# KiCad board Video Timer.kicad_pcb (continued)
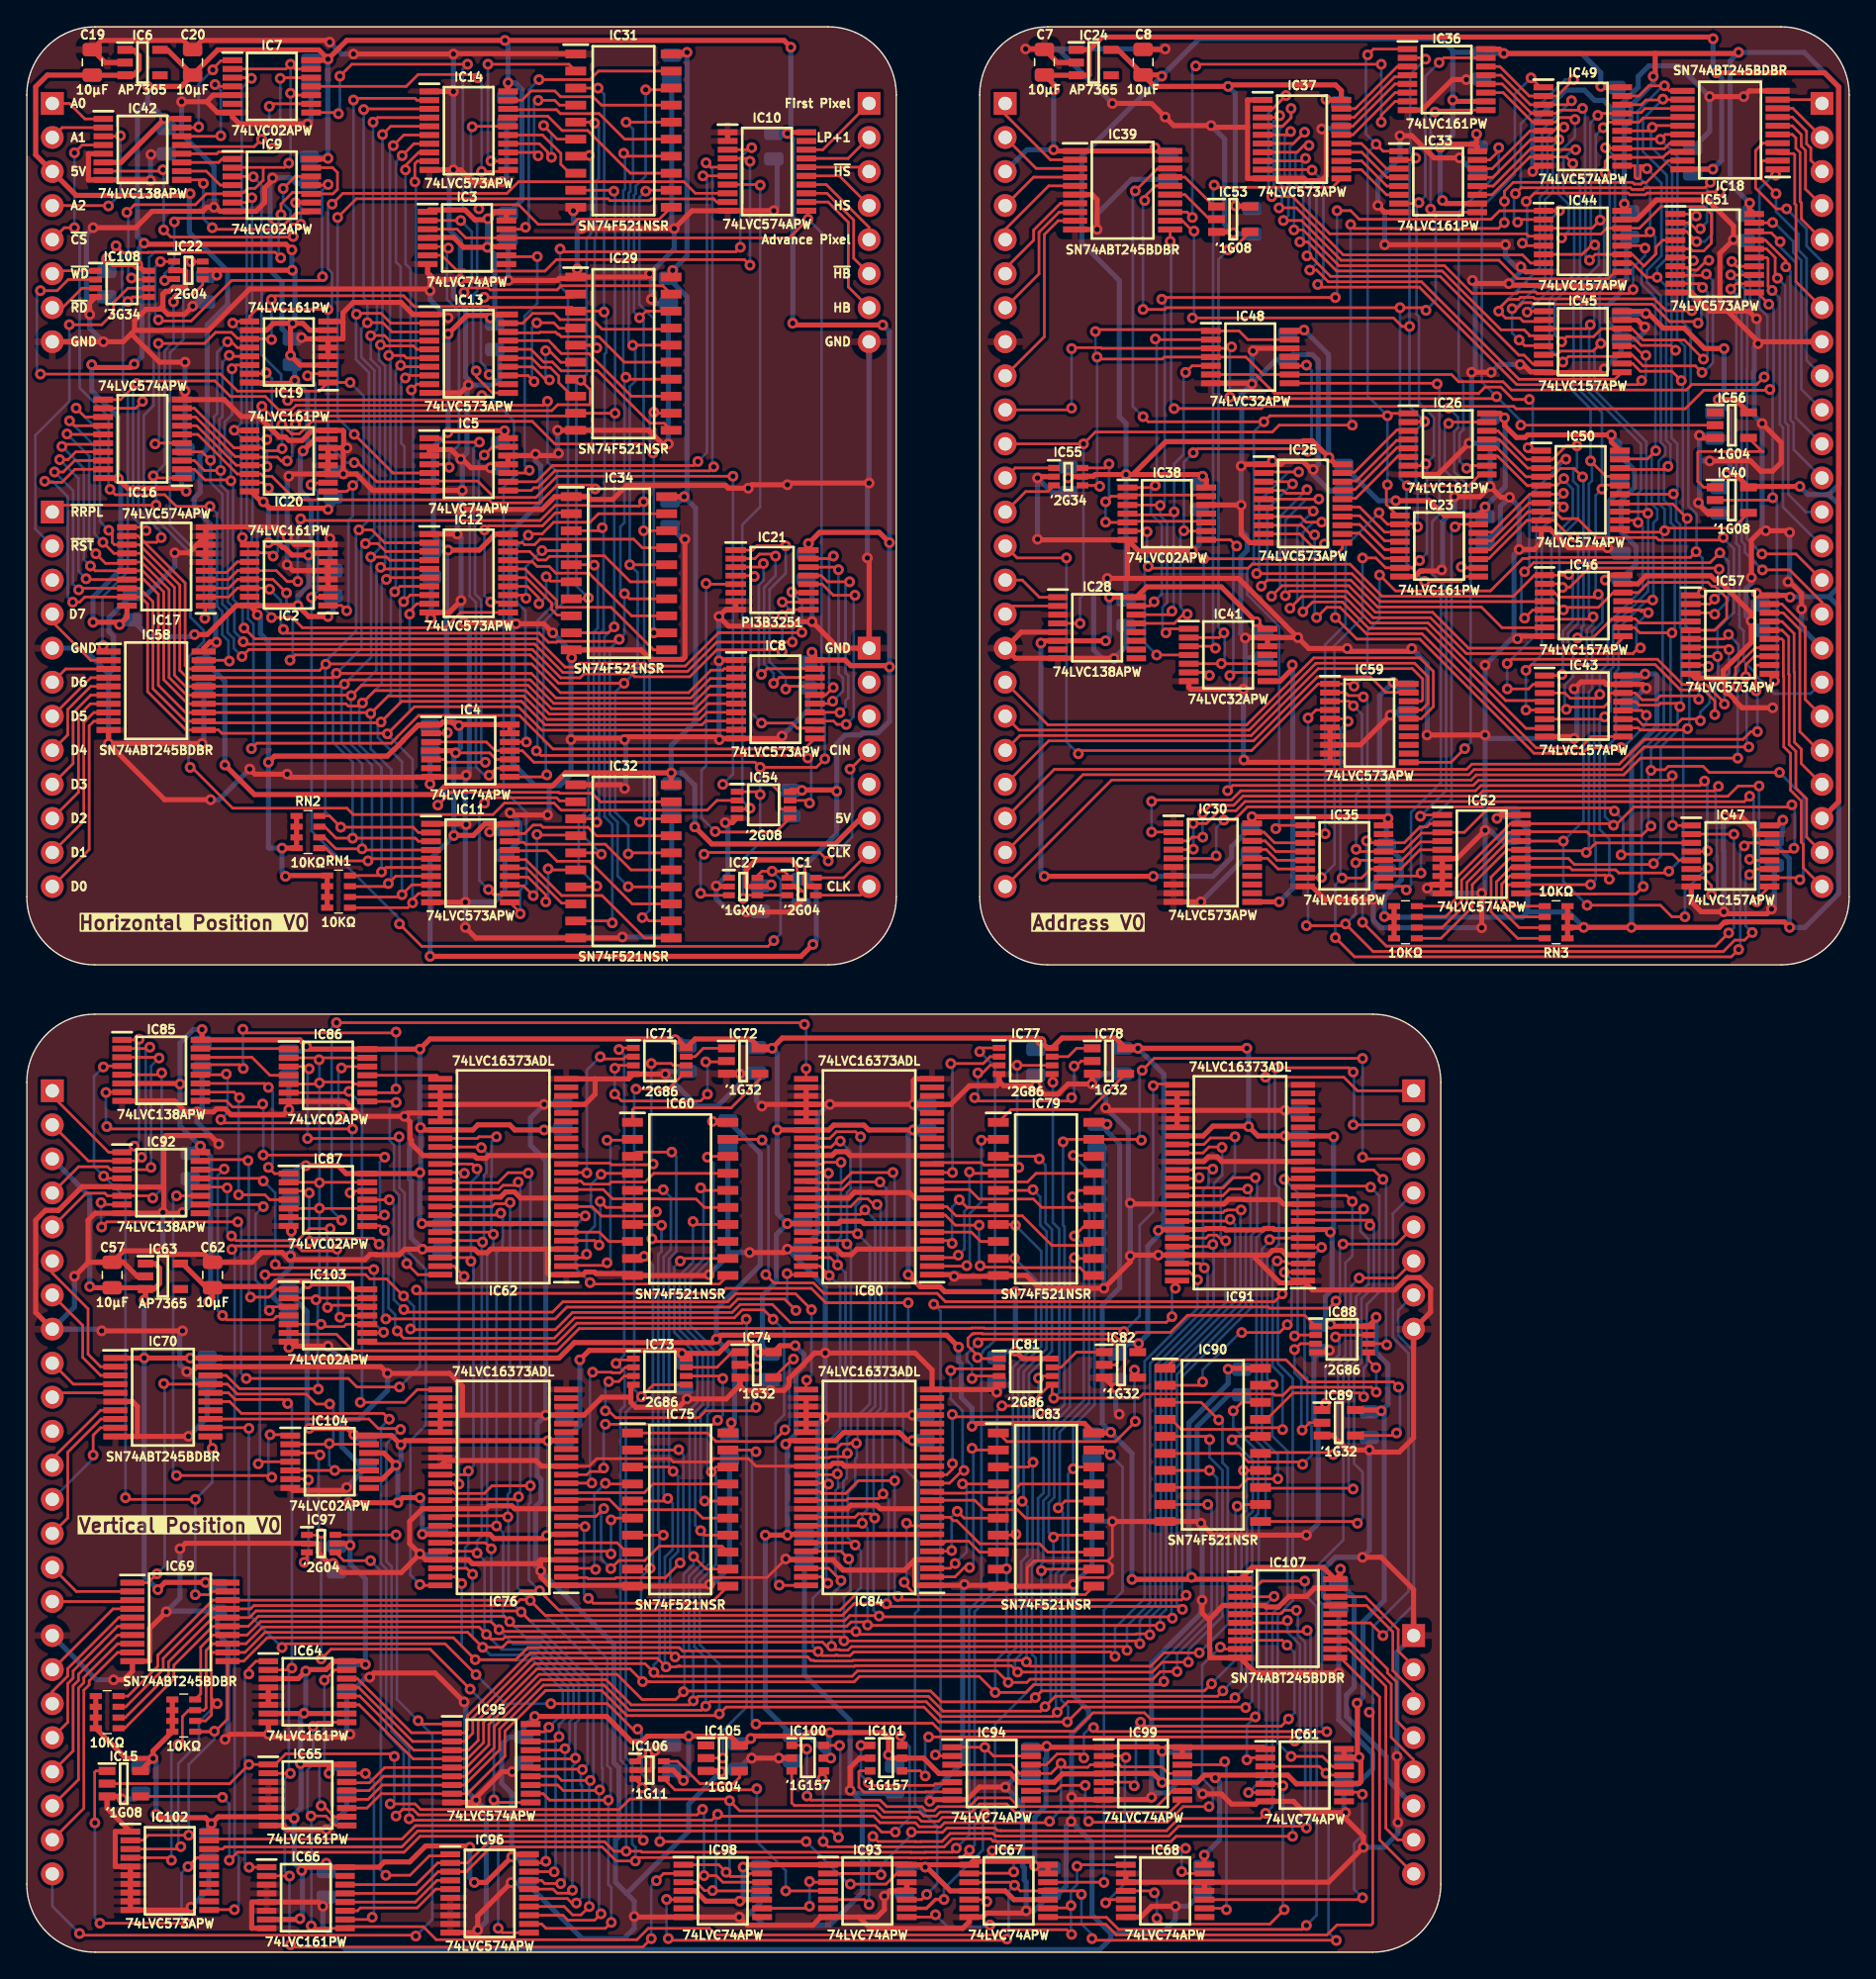
[diagram p0: board, top side]
## Routing (per net, layer and track width the routed paths; a pad name or vN(x,y) marks a point on that pad's centre or on a via; arc(x,y) is an arc through that point) (continued)
  Bottom w0.38: C58.2 48.95,105.41 v1(49.12,105.41) ; v1(34.6,110.74) 34.65,110.69 C52.2 ; v1(62.74,104.01) 62.74,109.47 v1(62.87,109.6) J2.8 ; v1(31.84,141.6) v1(31.84,138.81) v1(31.84,132.97) 31.53,132.66 31.53,128.5 32.36,127.67 v1(32.36,124.79) 31.85,124.28 31.85,123.5 32.31,123.04 32.38,123.04 32.75,122.67 32.75,117.52 32.96,117.31 v1(32.96,116.92) ; v1(31.45,121.93) 30.1,123.28 v1(30.1,123.95) ; v1(56.36,90.73) 58.29,92.66 C47.2 ; C63.2 4.49,123.49 4.45,123.44 ; v1(9.24,132.17) 9.24,134.08 v1(9.27,134.11) 9.32,134.16 C42.2 ; C29.2 21.21,136.65 v1(20.95,136.4) ; v1(44.62,90.46) 44.7,90.38 44.7,86.91 v1(44.62,86.82) ; v1(47.88,112.52) C60.2 46.94,122.99 v1(46.61,123.32) 46.61,125.09 v1(46.48,125.22) 48.32,127.06 v1(48.32,128.59) 48.13,128.78 C59.2 ; 4.45,123.44 4.45,128.14 v1(4.95,128.65) ; 4.45,123.44 4.45,122.39 4.66,122.17 v1(4.7,122.17) 4.7,121.16 v1(5.71,120.14) ; J5.5 4.19,97.28 6.1,95.38 ; 57.79,78.15 57.79,78.85 v1(57.81,78.87) ; v1(52.13,84.26) 52.32,84.07 52.32,80.41 v1(51.46,79.54) 51.46,78.59 52.45,77.6 v1(53.72,77.6) 54.53,77.6 ; C38.2 13.21,90.04 v1(13.08,90.17) ; v1(30.15,99.51) 30.2,99.56 C49.2 ; v1(32.96,116.92) 34.16,116.92 34.17,116.9 34.83,116.9 35.29,117.37 35.29,119.19 35.19,119.29 ; v1(32.96,116.92) 32.85,116.81 32.85,111.84 v1(32.38,111.38) 32.5,111.26 v1(32.5,109.05) 32.43,108.97 v1(32.43,107.65) 32.13,107.35 v1(32.13,105.79) 32.41,105.51 v1(32.41,100.84) 32.41,99.41 v1(32.64,99.19) 33.03,98.8 33.03,88.04 v1(32.79,87.8) 32.72,87.73 32.72,84.19 v1(32.79,84.12) 32.73,84.06 v1(32.73,78.33) ; v1(39.68,111.81) 39.62,111.87 v1(39.62,113.54) ; v1(51.69,90.46) 51.67,90.49 v1(51.67,96.34) 51.64,96.37 51.64,99.63 v1(51.66,99.65) ; 6.1,95.38 6.48,95.76 6.48,98.17 6.13,98.52 6.13,99.55 C35.2 8.97,101.3 11.05,103.38 v1(11.05,104.39) ; 6.1,95.38 v1(6.1,90.17) ; v1(13.72,85.98) 14.35,85.98 v1(16.64,88.26) ; v1(37.97,111.76) 37.97,111.25 38.35,110.87 38.35,108.2 36.07,105.92 36.07,99.54 v1(36.51,99.1) 36.27,98.86 36.27,88.69 37.93,87.04 38.99,87.04 ; v1(44.45,75.74) 47.93,75.74 48.13,75.95 C61.2 ; 38.99,87.04 38.99,84.96 v1(38.86,84.84) ; 38.99,87.04 39.8,87.04 40.61,87.86 v1(40.61,90.46) 40.61,96.52 v1(40.67,96.57) 40.67,97.02 v1(39.26,98.42) ; v1(23.63,110.28) 23.47,110.44 C4.2 ; v1(24.38,141.6) 23.49,141.6 v1(22.61,142.49) ; C6.2 19.05,121.11 19.05,124.59 18.16,125.48 18.16,132.18 v1(18.34,132.36) 18.35,132.36 19.69,132.36 20.1,131.95 21.03,131.95 ; v1(19.43,103.51) 19.43,105.58 v1(19.43,105.58) 19.43,105.58 19.43,109.98 v1(19.56,110.11) ; C1.2 58.61,101.98 v1(58.61,99.26) ; v1(32.73,78.33) v1(32.73,76.45) ; v1(32.73,78.33) 34.9,78.33 35.69,79.12 C41.2 36.8,82.95 36.8,84.27 v1(36.07,85) ; v1(35.43,132.08) 35.81,132.46 C31.2 ; C40.2 v1(30.1,87.15) ; C43.2 v1(35.94,124.71) ; v1(55.75,129.92) 56.01,130.17 56.01,133.53 ; v1(40.79,129.91) 40.79,129.2 v1(41.4,128.59) 41.08,128.27 v1(41.08,125.57) ; v1(11.81,118.62) v1(11.81,116.46) 11.81,112.09 ; 22.63,103.31 v1(22.63,105.45) ; v1(12.38,122.8) 12.7,123.11 C2.2 ; v1(13.97,130.18) 13.97,133.22 11.56,135.64 v1(11.56,138.05)
/Vertical Position/3.3V: length 827.4
  Top w0.38: v1(33.4,5.21) 34.29,5.21 v1(36.19,7.11) 36.39,7.31 IC96.20 ; IC106.5 48.23,13.59 v1(49.01,12.81) ; 22.48,6.34 20.76,6.34 v1(20.52,6.1) ; 22.48,6.34 22.35,6.47 v1(22.35,6.64) ; 22.48,6.34 IC66.16 26.28,6.34 26.67,6.73 28.57,6.73 29.77,7.92 32.97,7.92 v1(33.07,7.83) ; v1(99.44,14.54) 99.31,14.67 99.31,18.55 v1(99.29,18.58) ; IC98.4 49.91,4.57 50.67,3.81 v1(53.21,3.81) 53.32,3.92 IC98.10 ; IC80.31 59.86,61.34 60.22,61.7 62.48,61.7 62.84,61.34 v1(66.17,61.34) IC80.18 ; IC91.31 87.8,60.9 88.53,61.62 91.16,61.62 v1(91.19,61.59) 91.88,60.9 IC91.18 97.47,60.9 v1(97.54,60.83) ; IC62.18 v1(38.61,61.34) 36.42,61.34 36.04,61.72 33.67,61.72 33.29,61.34 IC62.31 29.57,61.34 v1(29.39,61.52) ; v1(13.78,9.59) 13.34,10.03 9.91,10.03 v1(9.65,10.29) ; v1(13.78,9.59) 14.29,10.1 IC65.7 19.85,10.1 v1(19.95,10) ; v1(13.78,9.59) 13.61,9.41 IC102.20 ; v1(91.06,67.44) 91.06,67.43 v1(82.93,67.43) IC78.5 81.26,68.2 77.26,68.2 IC77.8 76.18,67.46 v1(75.69,67.94) 75.44,68.2 56.39,68.2 v1(55.63,67.44) 54.72,67.44 ; v1(24,33.53) v1(27.69,33.53) 28.07,33.91 v1(29.34,33.91) ; v1(48.89,44.68) 51.61,44.68 52.39,45.45 54.25,45.45 54.65,45.05 v1(54.65,44.76) IC74.5 56.21,45.25 v1(57.35,45.25) ; v1(48.89,44.68) 49.22,44.35 IC73.8 ; v1(48.89,44.68) 48.67,44.9 41.98,44.9 v1(41.27,44.2) ; IC61.1 92.31,15.28 86.25,15.28 86.25,14.63 ; v1(11.43,64.77) 11.47,64.81 7.11,64.81 ; IC82.5 82.91,45.34 v1(82.97,45.4) ; 80.37,15.28 76.19,15.28 v1(76.12,15.36) 76.04,15.28 74.95,15.28 ; v1(29.52,31.19) 30.85,31.19 ; v1(73.79,49.28) 68.51,49.28 68.15,49.64 66.69,49.64 v1(65.79,50.55) ; IC105.5 52.5,16.12 v1(49.4,16.12) 46.32,16.12 45.92,15.72 45.14,15.72 43.27,17.59 v1(37.91,17.59) 37.91,17.32 IC95.20 ; v1(25.27,21.46) 25.02,21.72 23.89,21.72 ; IC76.18 38.9,38.16 v1(38.89,38.15) 38.88,38.16 IC76.31 28.24,38.16 v1(27.92,37.85) 27.23,38.54 IC104.14 24.48,38.54 v1(24.41,38.61) 23.94,39.08 v1(21.08,39.08) ; IC67.13 IC67.14 75.32,6.52 v1(75.23,6.43) 74.88,6.78 70.6,6.78 70.37,6.55 ; v1(29.34,58.17) 29.26,58.08 IC87.14 23.83,58.08 23.24,58.67 v1(20.83,58.67) ; IC104.9 26.53,35.29 v1(27.56,36.32) 26.64,37.24 IC104.12 ; v1(13.08,68.83) 13.08,68.18 IC85.16 20.38,68.06 v1(20.88,67.56) ; v1(22.56,13.34) 22.56,14 23.88,14 20.49,14 v1(20.42,14.07) ; IC64.3 20.25,20.41 v1(20.82,20.97) 20.93,21.08 22.33,21.08 22.95,21.71 23.88,21.71 ; IC66.7 20.32,2.44 v1(20.38,2.5) ; v1(100.71,47.37) 100.71,47.26 IC88.8 97.45,46.69 v1(97.3,46.85) ; 5.15,19.11 5.15,16.71 7.4,14.45 v1(9.42,14.45) ; IC68.14 87.9,7.22 v1(87.88,7.24) ; 86.22,15.31 85.07,15.31 v1(84.74,14.99) 84.41,15.31 80.4,15.31 ; IC61.10 94.76,12.56 94.11,13.21 IC61.4 88.9,13.21 v1(88.7,13) 88.49,13.21 87.89,13.21 87.37,12.68 84.76,12.68 v1(84.74,12.67) 84.07,13.33 IC99.4 ; IC72.5 54.03,68.12 49.88,68.12 49.22,67.46 48.6,68.07 48.39,68.07 v1(48.39,68.07) 48.33,68.13 30.1,68.13 v1(29.34,67.37) IC86.14 21.07,67.37 20.83,67.61 ; v1(13.55,48.51) 13.87,48.83 C62.1 ; v1(12.95,60.14) 12.96,60.13 12.96,59.68 ; v1(56.77,54.36) IC80.42 60.55,54.36 60.73,54.53 62.32,54.53 62.49,54.36 IC80.7 ; IC84.42 56.83,31.18 v1(56.77,31.11) 55.12,31.11 v1(55.12,31.12) ; 11.62,51.37 13.42,49.57 ; IC84.18 v1(66.1,38.16) 65.72,38.16 65.12,38.76 60.96,38.76 60.36,38.16 IC84.31 56.9,38.16 v1(56.64,37.9) ; v1(67.06,6.35) 67.16,6.35 68.94,4.57 IC67.4 73.03,4.57 73.68,3.92 IC67.10 ; IC61.14 IC61.13 99.41,14.51 99.57,14.35 99.57,12.72 99.44,12.59 98.35,12.59 ; IC81.8 74.34,44.28 v1(73.79,44.83) ; IC62.7 36.3,54.36 36.29,54.35 35.04,54.35 35.04,54.36 IC62.42 v1(29.49,54.36) ; IC64.7 20.67,17.81 v1(20.69,17.83) 20.72,17.81 23.88,17.81 ; 53.52,15.43 v1(54.03,15.94) 54.22,16.13 57.94,16.13 58.19,16.38 v1(59.94,16.38) 63.97,16.38 64.31,16.04 v1(64.31,14.72) 64.56,14.48 IC101.5 66.93,14.48 68.08,13.33 IC94.4 73.41,13.33 74.06,12.68 76.68,12.68 77.29,13.3 80.34,13.3 ; IC76.42 34.55,31.18 34.87,30.86 38.57,30.86 v1(38.79,31.08) 38.89,31.18 IC76.7 ; IC67.1 IC93.14 65.63,6.57 59.85,6.57 59.8,6.52 IC98.14 53.64,6.52 v1(53.47,6.35) ; v1(84.46,53.85) 84.52,53.91 IC91.42 87.95,53.91 88.03,53.99 89.38,53.99 89.48,53.88 92.26,53.88 92.37,53.99 93.02,53.99 93.1,53.91 IC91.7 97.09,53.91 v1(97.28,53.72) ; v1(56.01,61.34) 58.16,61.34 ; IC97.5 24,30.48 v1(24.13,30.35) ; 13.95,49.66 18.18,49.66 18.59,50.06 20.74,50.06 v1(20.95,49.85) 23.89,49.85 24.3,49.45 IC103.14 ; v1(9.42,14.45) 9.42,15.01 RN6.8 RN6.7 RN6.6 RN6.5 ; v1(9.42,14.45) IC15.5 ; IC100.5 v1(60.01,14.48) ; v1(101.09,40.39) 101.03,40.45 IC89.5 ; 67.55,31.17 58.18,31.17
  Bottom w0.38: C94.1 94.03,60.79 v1(93.92,60.9) ; v1(48.39,68.07) 48.81,68.07 C80.1 ; C104.1 64.77,14.26 v1(64.31,14.72) ; C112.1 36.28,7.03 v1(36.19,7.11) 36.19,11.84 35.43,12.6 35.43,15.49 35.99,16.05 C111.1 37.08,16.76 v1(37.91,17.59) ; C68.1 20.4,58.67 v1(20.83,58.67) ; v1(29.34,67.37) 29.34,61.57 v1(29.39,61.52) 29.41,61.5 29.41,58.24 v1(29.34,58.17) 29.34,54.51 v1(29.49,54.36) 29.58,54.27 C78.1 ; C113.1 22.93,13.72 v1(22.56,13.34) ; C97.1 101.01,40.3 v1(101.09,40.39) ; C115.1 v1(22.35,6.64) ; 75.31,67.56 v1(75.69,67.94) ; v1(57.35,45.25) 58.01,44.58 58.01,43.78 57.41,43.18 57.41,38.67 v1(56.64,37.9) 56.77,37.77 v1(56.77,31.11) 56.81,31.16 C92.1 ; v1(99.29,18.58) 99.73,19.02 99.73,24.65 101.32,26.24 101.32,40.16 v1(101.09,40.39) ; C75.1 49.02,44.55 v1(48.89,44.68) ; C98.1 12.72,60.14 v1(12.95,60.14) ; v1(55.12,31.12) 55.12,18.21 C103.1 58.31,16.17 v1(60.01,14.48) 59.87,14.62 59.87,16.31 v1(59.94,16.38) ; v1(56.77,54.36) 55.94,53.53 55.94,50.03 54.91,48.99 54.91,45.21 55.19,44.93 ; v1(56.77,54.36) 56.01,55.12 v1(56.01,61.34) 56.01,67.06 v1(55.63,67.44) 55.58,67.48 C81.1 ; v1(56.77,54.36) 56.81,54.4 57.91,54.4 ; C100.1 75.92,15.16 v1(76.12,15.36) 76.12,14.51 76.02,14.41 76.02,13.76 76.06,13.71 76.06,10.91 75.23,10.08 v1(75.23,6.43) 75.39,6.27 C65.1 ; v1(33.07,7.83) 33.07,5.54 v1(33.4,5.21) ; v1(41.27,44.2) 41.27,39.32 C73.1 38.92,38.18 v1(38.89,38.15) 38.96,38.08 38.96,31.25 v1(38.79,31.08) ; v1(24.41,38.61) 24.75,38.27 C67.1 ; v1(66.1,38.16) 66.12,38.18 C89.1 ; v1(100.71,47.37) 100.71,44.72 101.59,43.84 101.59,40.89 v1(101.09,40.39) ; 30.73,31.54 29.88,31.54 v1(29.52,31.19) 29.52,33.72 v1(29.34,33.91) ; v1(12.95,60.14) 13.72,59.38 13.72,48.68 v1(13.55,48.51) ; v1(12.95,60.14) 11.43,61.66 v1(11.43,64.77) 11.43,67.82 12.45,68.83 v1(13.08,68.83) C106.1 ; v1(38.61,61.34) 38.69,61.42 C79.1 ; v1(24,33.53) 24.13,33.4 v1(24.13,30.35) ; C114.1 25.27,21.46 v1(25.27,21.46) 25.27,27.84 24.13,28.99 v1(24.13,30.35) ; C86.1 82.93,67.44 v1(82.93,67.43) 84.86,65.5 84.86,54.28 84.43,53.85 ; v1(20.95,49.85) 20.42,49.32 C71.1 ; v1(88.7,13) 89.03,12.67 89.03,8.38 v1(87.88,7.24) 87.88,6.52 ; 23.2,30.35 v1(24.13,30.35) ; 55.36,44.76 v1(54.65,44.76) ; C64.1 84.82,14.9 v1(84.74,14.99) v1(84.74,12.67) ; v1(20.82,20.97) 20.82,17.96 v1(20.69,17.83) 20.42,17.56 20.42,14.08 v1(20.42,14.07) 20.46,14.03 20.46,10.79 19.95,10.28 v1(19.95,10) 19.95,6.66 v1(20.52,6.1) 20.57,6.04 20.57,2.69 v1(20.38,2.5) ; v1(21.08,39.08) 20.92,39.24 20.92,47.79 19.56,49.15 ; v1(27.69,33.53) 27.69,36.19 v1(27.56,36.32) 27.92,36.69 v1(27.92,37.85) ; v1(97.54,60.83) 97.54,53.97 v1(97.28,53.72) 97.42,53.58 97.42,49.4 96.92,48.9 96.92,47.23 v1(97.3,46.85) 97.24,46.78 C96.1 ; 84.43,53.85 84.43,53.44 83.66,52.68 83.66,46.1 v1(82.97,45.4) 82.19,45.4 C91.1 ; 84.43,53.85 v1(84.46,53.85) 84.5,53.89 C95.1 ; v1(20.88,67.56) 20.54,67.23 C99.1 ; v1(49.4,16.12) 49.4,13.21 v1(49.01,12.81) 48.86,12.81 C108.1 ; v1(53.21,3.81) 53.47,4.06 v1(53.47,6.35) 54.69,6.35 ; C90.1 72.85,44.83 v1(73.79,44.83) v1(73.79,49.28) ; v1(54.03,15.94) 53.63,15.54 C109.1 ; v1(91.06,67.44) 91.19,67.31 v1(91.19,61.59) ; v1(13.78,9.59) 13.59,9.4 C102.1 ; 65.61,6.35 v1(67.06,6.35) ; v1(99.44,14.54) 99.29,14.4 C87.1 ; 67.14,61.34 v1(66.17,61.34) 65.79,60.96 v1(65.79,50.55) ; v1(9.65,10.29) 9.65,14.22 v1(9.42,14.45)
/Vertical Position/5V: length 255.8
  Top w0.38: IC60.20 51.24,61.91 v1(51.18,61.98) ; 14.96,27.59 v1(13.33,27.59) 10.31,27.59 v1(9.78,27.05) ; IC79.20 80.48,61.91 v1(80.63,61.77) ; 13.71,44.32 39.72,44.32 40.87,45.48 51.21,45.48 v1(51.46,45.73) 51.75,46.02 51.97,46.02 51.98,46.03 56.71,46.03 56.94,46.04 68.65,46.04 v1(69.55,45.14) ; IC70.1 v1(8.76,44.33) v1(12.2,44.33) IC70.20 ; IC63.1 9.56,51.37 9.91,51.03 9.91,49.87 9.5,49.47 IC63.3 8.86,48.74 v1(8.76,48.64) ; v1(98.04,28.57) 98.04,28.2 97.66,27.82 96.77,28.7 91.44,28.7 90.56,27.82 87.08,27.82 v1(86.93,27.97) 86.78,27.81 v1(82.49,27.81) ; 8.76,49.57 C57.1 4.79,49.57 v1(4.7,49.66) ; v1(70.55,39.24) 70.76,39.45 78.92,39.45 79.63,38.73 80.84,38.73 v1(80.9,38.79) ; 52.33,38.73 52.58,38.98 v1(52.58,39.5) ; v1(89.66,43.5) 89.73,43.56 IC90.20
  Bottom w0.38: 13.42,44.33 v1(12.2,44.33) ; v1(9.78,27.05) 8.76,28.07 v1(8.76,44.33) v1(8.76,48.64) ; 52.28,61.98 v1(51.18,61.98) ; v1(80.9,38.79) 82.49,37.2 v1(82.49,27.81) ; v1(80.9,38.79) 79.64,38.79 ; v1(80.9,38.79) 80.26,39.42 80.26,48.26 81.57,49.56 81.57,60.29 80.63,61.23 v1(80.63,61.77) 80.48,61.91 80.03,61.91 ; C76.1 52.45,39.37 v1(52.58,39.5) 52.83,39.75 52.83,44.37 v1(51.46,45.73) 51.46,47.97 54.74,51.25 54.74,59.61 C77.1 ; 98.04,27.73 v1(98.04,28.57) ; J7.6 101.47,12.95 101.47,14.6 98.5,17.58 98.5,19.19 99.07,19.77 99.07,26.45 C105.1 ; J11.3 4.7,56.39 v1(4.7,49.66) ; v1(86.93,27.97) 86.74,28.16 86.74,39.5 89.66,42.42 v1(89.66,43.5) 90.66,43.5 ; v1(13.33,27.59) 13.57,27.35 C69.1 ; v1(70.55,39.24) 70.55,40.58 69.75,41.38 69.75,43.89 69.55,44.09 v1(69.55,45.14)
/Vertical Position/GND: length 1467.8
  Top w0.2: IC76.15 41.97,36.26 42.53,36.82 48.02,36.82 48.26,36.58 51.01,36.58 51.26,36.82 53.86,36.82 54.42,36.26 IC84.34 ; v1(50.96,27.43) 50.96,27.63 51.27,27.95 55.26,27.95 v1(56.64,29.34) ; 74.68,27.3 74.68,28.7 75.17,29.2 80.69,29.2 ; 80.69,29.2 81.03,28.86 81.03,28.27 80.71,27.95 78.62,27.95 v1(78.11,27.43) ; 80.69,29.2 81.03,29.54 v1(81.03,32.13)
  Top w0.38: v1(6.48,20.32) 7.24,20.32 7.88,20.96 7.88,21.71 9.16,21.71 9.17,21.72 9.17,24.16 v1(10.41,25.4) ; 42.42,65.15 44.91,65.15 IC71.4 v1(47.65,65.51) ; 42.42,65.15 42.42,64.01 41.66,63.25 IC62.21 v1(38.61,63.25) IC62.28 ; 42.42,65.15 IC62.24 ; v1(82.36,55.88) 82.42,55.82 IC91.39 89.34,55.82 89.7,56.17 90.82,56.17 90.84,56.14 93.46,56.14 93.79,55.82 IC91.10 ; IC73.4 45.09,42.15 45.09,41.4 ; IC76.28 IC76.27 30.86,41.34 ; IC76.28 IC76.29 IC76.30 ; IC76.28 v1(38.73,40.07) IC76.21 41.59,40.07 42.93,41.4 45.09,41.4 ; 45.09,41.4 45.09,41.02 45.45,40.65 48.66,40.65 v1(49.28,41.27) 52.2,41.27 53.23,42.31 53.23,42.86 53.23,42.27 53.59,41.91 v1(55.5,41.91) 56.52,41.91 56.87,42.27 56.87,42.78 58.8,44.7 v1(59.6,44.7) 66.29,44.7 67.56,43.43 IC84.24 72.2,41.97 v1(72.39,41.78) 72.39,42.15 IC81.4 ; 66.28,29.27 66.28,29.26 66.28,27.4 66.3,27.37 IC84.1 69.91,27.37 v1(69.98,27.43) 70.04,27.37 72.45,27.37 ; 66.28,29.27 65.52,28.51 60.93,28.51 60.16,29.27 IC84.45 56.71,29.27 v1(56.64,29.34) ; 66.28,29.27 IC84.4 ; v1(29.34,29.72) 29.78,29.27 IC76.45 32.96,29.27 33.25,28.98 38.06,28.98 38.35,29.27 ; v1(29.34,29.72) 27.94,28.32 23.54,28.32 v1(22.86,29.01) 22.56,29.01 21.74,29.83 21.74,30.47 21.73,30.48 IC97.2 ; v1(29.34,29.72) 28.57,30.48 28.57,32.13 29.53,33.08 34.27,33.08 34.48,33.3 36.19,33.3 36.41,33.08 40.26,33.08 ; 91.93,11.26 91.72,11.05 89.92,11.05 89.15,11.81 v1(87.76,11.81) ; v1(81.28,42.1) 81.17,42.1 80.41,42.86 ; v1(61.45,12.08) 61.45,13.77 62.15,14.48 IC101.2 ; 8.25,38.48 IC70.10 ; 8.25,38.48 12.06,38.48 v1(12.06,38.48) ; 8.25,38.48 8.25,40.71 7.89,41.08 IC70.6 ; J11.8 0.66,47.72 0.66,54.62 1.39,55.34 2.36,55.34 4.13,57.11 7.08,57.11 ; IC62.26 IC62.27 IC62.28 ; 10.23,57.08 10.23,60.78 10.38,60.93 13.7,60.93 v1(14.33,60.29) ; 10.23,57.08 10.23,55.17 10.29,55.12 ; 10.23,57.08 7.11,57.08 ; v1(46.88,15.03) 46.72,14.87 46.72,13.74 46.56,13.59 IC106.2 ; 38.86,52.45 34.61,52.45 34.34,52.18 33.69,52.18 33.42,52.45 IC62.45 ; 38.86,52.45 38.86,50.66 38.98,50.55 IC62.1 41.51,50.55 41.71,50.74 42.37,50.74 42.48,50.63 45.06,50.63 45.21,50.48 50.86,50.48 v1(50.93,50.55) ; 38.86,52.45 IC62.4 ; v1(83.95,11.56) 83.78,11.38 IC99.7 78.15,11.38 v1(77.98,11.56) ; 30.86,52.45 v1(29.53,52.45) 28.22,52.45 27.8,52.03 26.09,52.03 26.07,52.05 25.62,52.05 25.22,51.66 19.59,51.66 19.05,52.2 17.53,52.2 16.8,51.47 13.87,51.47 13.28,52.06 10.29,52.06 v1(10.16,52.32) 7.23,52.32 6.37,51.47 ; IC100.2 v1(56.13,14.48) v1(54.1,14.48) ; 19.56,63.45 v1(19.56,62.86) 19.18,62.48 15.23,62.48 14.81,62.91 14.15,62.91 13.93,62.69 v1(12.7,62.69) 11.86,62.69 11.04,63.51 7.11,63.51 ; v1(99.69,29.46) 101.09,29.46 103.5,27.05 J7.1 ; v1(18.03,16.26) 18.24,16.05 23.92,16.05 v1(24.13,16.26) ; v1(18.03,16.26) 18.03,17.15 ; v1(18.03,16.26) 15.18,16.26 v1(14.79,15.87) ; 45.14,27.37 IC76.1 38.98,27.37 38.35,27.99 38.35,29.27 ; v1(66.17,63.25) v1(59.94,63.25) IC80.28 ; v1(66.17,63.25) IC80.21 68.96,63.25 70.36,64.64 72.39,64.64 72.57,64.83 IC77.4 72.57,64.97 72.9,64.64 v1(75.31,64.64) 75.95,64.01 76.96,64.01 77.72,64.77 v1(79.5,64.77) 79.52,64.79 IC78.3 ; v1(66.17,63.25) 66.17,65.03 66.28,65.15 IC80.24 ; IC84.28 IC84.29 IC84.30 ; IC84.28 59.37,40.07 v1(59.53,39.91) 59.69,40.07 v1(66.1,40.07) IC84.21 ; IC84.28 IC84.27 58.16,41.34 ; v1(45.34,2.67) 45.38,2.62 IC98.7 v1(53.17,2.62) 53.78,2.01 58.65,2.01 59.26,2.62 ; IC68.2 IC68.3 IC68.12 ; IC68.7 83.14,2.62 83.82,3.3 ; IC80.10 66.28,56.26 65.87,56.67 63,56.67 62.98,56.69 61.77,56.69 61.34,56.26 IC80.39 ; 62.11,2.62 63.46,2.62 64.01,3.17 v1(64.01,4.19) 64.39,4.57 IC93.11 IC93.12 ; 62.11,2.62 59.8,2.62 ; 62.11,2.62 62.95,1.78 69.85,1.78 70.34,2.27 IC67.7 71.33,2.62 71.63,2.92 74.42,2.92 v1(74.59,3.09) ; 83.82,3.3 83.95,3.43 v1(85.72,3.43) ; IC62.39 34.66,56.26 34.73,56.33 35.35,56.33 35.74,56.72 36.4,56.72 36.86,56.26 IC62.10 ; IC91.28 80.71,62.8 v1(80.52,62.99) ; IC91.28 IC91.27 IC91.26 ; IC91.28 IC91.21 ; IC91.28 IC91.29 IC91.30 ; v1(53.21,65.53) 52.22,65.53 ; v1(51.82,13.46) 51.75,13.53 IC105.3 ; 32.51,40.07 32.51,42.23 31.56,43.18 v1(26.92,43.18) 26.43,43.68 IC70.19 12.67,43.68 12.3,43.31 v1(11.94,43.31) ; 91.69,52.01 91.69,51.77 93.53,49.94 95.08,49.94 IC91.1 95.95,49.4 102.11,49.4 103.03,50.32 103.96,50.32 104.78,49.51 104.78,47.75 J12.8 103.5,38.38 102.44,37.31 100.36,37.31 v1(100.2,37.46) 98.55,37.46 97.47,38.55 IC89.3 ; 91.69,52.01 IC91.45 v1(84.46,52.01) 82.42,52.01 v1(82.36,51.94) 82.36,51.5 v1(80.39,49.53) 75.56,49.53 74.61,50.48 IC79.10 ; 91.69,52.01 92.64,52.01 92.99,52.36 93.65,52.36 93.98,52.02 95.23,52.02 ; 6.37,51.47 7.2,51.47 8.25,50.42 IC63.2 ; 6.37,51.47 4.61,51.47 ; IC76.34 31.28,36.68 37.99,36.68 38.42,36.26 IC76.15 ; IC80.28 54.99,63.25 v1(54.86,63.12) ; IC80.28 IC80.29 IC80.30 ; IC80.28 IC80.27 IC80.26 ; IC84.34 59.95,36.26 60.17,36.47 60.82,36.47 61.04,36.26 IC84.15 ; 31.61,1.46 33.46,1.46 v1(33.66,1.65) 33.66,2.71 v1(36.15,5.2) ; v1(97.92,20.83) 91.7,20.83 IC107.10 88.34,21.97 88.3,22.01 88.3,22.66 88.28,22.68 88.28,24.87 ; v1(22.1,3.43) 21.79,3.74 IC66.5 16.82,3.74 16.79,3.71 16.79,1.8 16.8,1.79 IC66.8 ; 4.61,51.47 4.57,51.5 4.57,54.61 5.09,55.13 10.11,55.13 v1(10.16,55.18) 10.22,55.12 10.29,55.12 ; 4.61,51.47 v1(3.56,50.42) ; v1(97.22,44.9) 97.06,44.74 IC88.4 ; v1(95.5,31.11) 88.52,31.11 v1(87.63,32) 87.5,32.13 IC90.10 v1(81.03,32.13) ; v1(23.88,34.67) 23.66,34.45 19.86,34.45 IC104.7 ; IC68.12 97.16,5.22 v1(99.76,7.82) 99.76,8.64 98.43,9.98 v1(98.43,10.41) 95.38,10.41 94.53,11.26 IC61.7 ; IC68.12 IC68.11 ; IC62.28 IC62.29 ; IC62.30 IC62.29 ; IC62.29 28.45,62.61 v1(28.19,62.36) ; 38.35,29.27 IC76.4 ; v1(28.19,62.36) 28.6,61.95 28.6,60.68 28.7,60.58 28.7,60.31 29.58,59.44 IC62.34 33.38,59.44 33.58,59.23 34.27,59.23 34.47,59.44 IC62.15 ; v1(28.19,62.36) 24.89,62.36 23.78,63.47 IC86.7 ; 72.45,50.42 v1(69.22,50.42) 69.09,50.55 IC80.1 ; IC107.19 96.13,27.17 95.5,26.54 94.21,26.54 93.42,25.75 92.51,25.75 92.4,25.87 IC107.4 89.28,25.87 88.28,24.87 ; v1(11.43,30.1) 11.84,30.51 20.88,30.51 ; 45.21,27.3 50.83,27.3 v1(50.96,27.43) ; IC87.7 19.54,53.99 v1(19.74,53.79) ; v1(87.72,26.25) 87.72,25.31 88.16,24.87 88.28,24.87 ; IC91.34 87.85,58.99 88.19,59.34 88.85,59.34 89.19,58.99 IC91.15 ; IC80.34 60.1,59.44 60.38,59.72 61.16,59.72 61.44,59.44 IC80.15 ; IC80.4 61.96,52.45 61.54,52.04 60.86,52.04 60.45,52.45 IC80.45 v1(56.77,52.45) 56.51,52.2 v1(53.95,52.2) ; IC103.7 19.54,45.13 v1(19.56,45.11) 19.66,45.21 v1(22.48,45.21) ; 10.29,55.12 11.57,55.12 v1(11.63,55.18) ; IC95.10 33.35,11.17 v1(33.53,11.35) 33.53,11.53 35.46,13.46 v1(36.23,13.46) ; v1(102.26,14.6) 102.26,14.6 102.26,9.76 v1(102.34,9.68) ; v1(7.11,11.43) 6.92,11.62 IC15.3 5.99,10.74 IC102.1 6.61,8.99 6.6,8.98 6.6,6.4 6.61,6.39 IC102.5 IC102.6 IC102.7 IC102.8 IC102.9 IC102.10 12.04,3.14 v1(12.26,3.37) ; v1(25.59,20.51) 25.9,20.83 30.48,20.83 v1(32.64,18.67) ; IC64.6 IC64.5 IC64.4 ; 18.03,9.45 19.13,9.45 19.44,9.14 v1(22.35,9.14) ; 67.56,33.08 63.7,33.08 63.44,33.35 61.5,33.35 61.23,33.08 58.16,33.08 ; v1(5.59,46.35) v1(11.62,46.35) ; v1(78.11,27.43) 77.98,27.3 72.51,27.3 ; v1(73.03,12.32) 71.1,12.32 70.16,11.38 IC94.7 67.52,11.38 v1(67.4,11.26)
  Bottom w0.25: v1(64.01,4.19) 64.19,4.37 C107.2
  Bottom w0.38: 97.61,25.7 96.77,26.54 96.77,28.57 97.66,29.46 v1(99.69,29.46) 100.2,29.97 v1(100.2,37.46) C97.2 ; v1(54.1,14.48) 53.93,14.48 C109.2 51.99,13.64 v1(51.82,13.46) 49.4,11.05 49.4,9.02 44.77,4.38 ; v1(81.53,40.13) 81.28,40.39 v1(81.28,42.1) 81.28,42.59 ; C68.2 19.69,53.85 v1(19.74,53.79) 19.74,52 v1(19.69,51.94) 19.74,51.88 19.74,51.14 18.44,49.84 18.44,48.81 19.56,47.69 ; v1(84.46,52.01) 84.47,51.99 C95.2 ; v1(14.79,15.87) 15,16.08 15,22.97 14.22,23.75 C69.2 10.46,25.45 v1(10.41,25.4) 11.43,26.42 v1(11.43,30.1) ; C72.2 29.41,29.64 v1(29.34,29.72) ; C106.2 13.08,63.07 v1(12.7,62.69) 12.7,61.92 v1(14.33,60.29) ; 44.77,4.38 43.94,5.21 43.94,8.38 44.2,8.64 44.2,13.75 43.81,14.14 43.81,22.99 v1(38.35,28.45) 37.97,28.83 37.97,33.24 38.38,33.65 38.38,35.26 38.1,35.54 38.1,39.43 v1(38.73,40.07) ; 44.77,4.38 45.34,3.81 v1(45.34,2.67) 45.34,1.78 44.58,1.02 41.45,1.02 C112.2 36.22,5.13 v1(36.15,5.2) ; 52.32,52.2 v1(53.95,52.2) ; 52.32,52.2 52.32,51.94 v1(50.93,50.55) ; 52.32,52.2 C77.2 ; v1(46.88,15.03) 47.29,15.44 C108.2 ; C103.2 56.34,14.27 v1(56.13,14.48) ; v1(12.26,3.37) 13.59,4.7 C102.2 ; v1(25.59,20.51) 25.34,20.51 24.38,19.56 ; v1(22.48,45.21) 23.49,44.2 23.49,39.75 ; 54.04,2.98 54.99,2.03 59.94,2.03 62.36,4.44 62.36,11.17 v1(61.45,12.08) ; 54.04,2.98 54.74,3.68 C101.2 ; 54.04,2.98 53.68,2.62 v1(53.17,2.62) ; v1(77.94,9.76) 79.5,8.2 79.5,2.79 80.9,1.4 ; v1(77.94,9.76) 77.98,9.79 v1(77.98,11.56) 77.98,16.26 79.25,17.53 79.25,18.03 78.11,19.18 v1(78.11,27.43) 79.5,28.83 79.5,32.13 ; v1(77.94,9.76) 77.57,9.38 77.57,4.92 77.01,4.37 C65.2 75.17,3.09 v1(74.59,3.09) 74.59,5.24 74.45,5.38 74.45,6.3 74.32,6.42 74.32,11.02 v1(73.03,12.32) 73.96,13.26 C100.2 ; v1(54.86,63.12) 54.48,63.5 C81.2 53.26,65.58 v1(53.21,65.53) 53.21,64.77 51.56,63.12 50.04,63.12 v1(47.65,65.51) 47.85,65.71 C80.2 ; 25.4,36.19 v1(23.88,34.67) ; v1(7.11,11.43) 8.08,11.43 C116.2 ; 80.9,1.4 84.71,1.4 85.72,2.41 v1(85.72,3.43) 86.69,3.43 C66.2 ; 80.9,1.4 80.9,1.02 80.07,0.19 23.81,0.19 22.1,1.9 v1(22.1,3.43) 22.35,3.68 C115.2 ; C83.2 66.22,63.2 v1(66.17,63.25) ; 79.5,32.13 C88.2 ; 79.5,32.13 v1(81.03,32.13) ; J11.17 5.21,20.32 v1(6.48,20.32) ; v1(61.45,12.08) 61.45,17.29 58.04,20.7 C92.2 59.15,30.37 59.15,33.56 59.05,33.65 59.05,39.43 v1(59.53,39.91) 59.6,39.97 v1(59.6,44.7) 59.6,49.62 v1(56.77,52.45) 57.86,52.45 ; v1(61.45,12.08) 61.67,11.86 64.64,11.86 ; C105.2 v1(97.92,20.83) 97.92,17.34 100.46,14.8 100.46,13.68 99.28,12.5 C87.2 98.3,10.54 v1(98.43,10.41) ; C73.2 38.75,40.08 v1(38.73,40.07) ; C78.2 29.61,52.37 v1(29.53,52.45) 28.7,53.28 28.7,57.56 28.55,57.71 28.55,59.79 28.57,59.82 28.57,61.98 v1(28.19,62.36) ; v1(38.73,40.07) 38.73,59.05 37.59,60.2 37.59,62.23 v1(38.61,63.25) 38.69,63.32 C79.2 ; v1(24.13,16.26) 23.88,16.51 C114.2 ; v1(12.06,38.48) 13.46,39.88 C70.2 12.78,42.47 v1(11.94,43.31) 11.41,43.83 11.41,46.14 v1(11.62,46.35) ; v1(50.96,27.43) 51.18,27.43 52.45,28.7 C76.2 ; v1(82.36,51.94) v1(82.36,55.88) 82.21,56.02 82.21,61.3 v1(80.52,62.99) 80.52,63.75 v1(79.5,64.77) 80.27,65.54 C86.2 ; C74.2 v1(55.5,41.91) ; v1(80.39,49.53) 80.39,59.36 C82.2 ; v1(3.56,50.42) 3.56,48.13 J11.8 5.46,46.48 v1(5.59,46.35) ; C110.2 23.11,28.75 v1(22.86,29.01) ; C111.2 36.4,13.46 v1(36.23,13.46) ; 19.56,47.42 v1(19.56,45.11) ; C99.2 v1(19.56,62.86) ; v1(10.16,52.32) v1(10.16,55.18) ; v1(66.1,40.07) 66.12,40.08 C89.2 ; 23.49,39.75 24.77,39.75 26.92,41.91 v1(26.92,43.18) ; 23.49,39.75 23.49,37.72 24.84,36.37 C67.2 ; 49.28,41.83 v1(49.28,41.27) ; v1(56.64,29.34) 57.96,29.34 ; v1(99.76,7.82) 101.3,7.82 102.34,8.87 v1(102.34,9.68) ; v1(59.94,63.25) 59.82,63.25 59.03,62.46 59.03,53.62 C84.2 ; C93.2 89.71,41.58 87.35,39.21 87.35,32.29 v1(87.63,32) 87.72,31.91 v1(87.72,26.25) 87.63,26.16 87.63,25.27 83.95,21.59 v1(83.95,11.56) 84.27,11.88 85.1,11.88 C64.2 ; v1(33.66,1.65) 34.29,2.29 34.29,10.57 33.53,11.33 v1(33.53,11.35) 32.77,12.11 32.77,18.54 v1(32.64,18.67) ; v1(97.22,44.9) 97.19,44.88 C96.2 96.06,44.55 96.06,39.75 96.38,39.44 96.38,31.99 v1(95.5,31.11) ; 75.31,65.45 v1(75.31,64.64) ; 86.56,13 v1(87.76,11.81) ; v1(67.4,11.26) 67.4,11.42 67.25,11.57 69.85,14.17 69.85,27.3 v1(69.98,27.43) ; C90.2 v1(72.39,41.78) ; C113.2 23.88,10.67 v1(22.35,9.14) ; v1(11.63,55.18) 12.19,55.74 C98.2 ; v1(102.26,14.6) 102.26,22.38 J7.1 ; v1(93.92,62.8) 94.04,62.69 C94.2
